# Altium PCB LED_Controller.PcbDoc (continued)
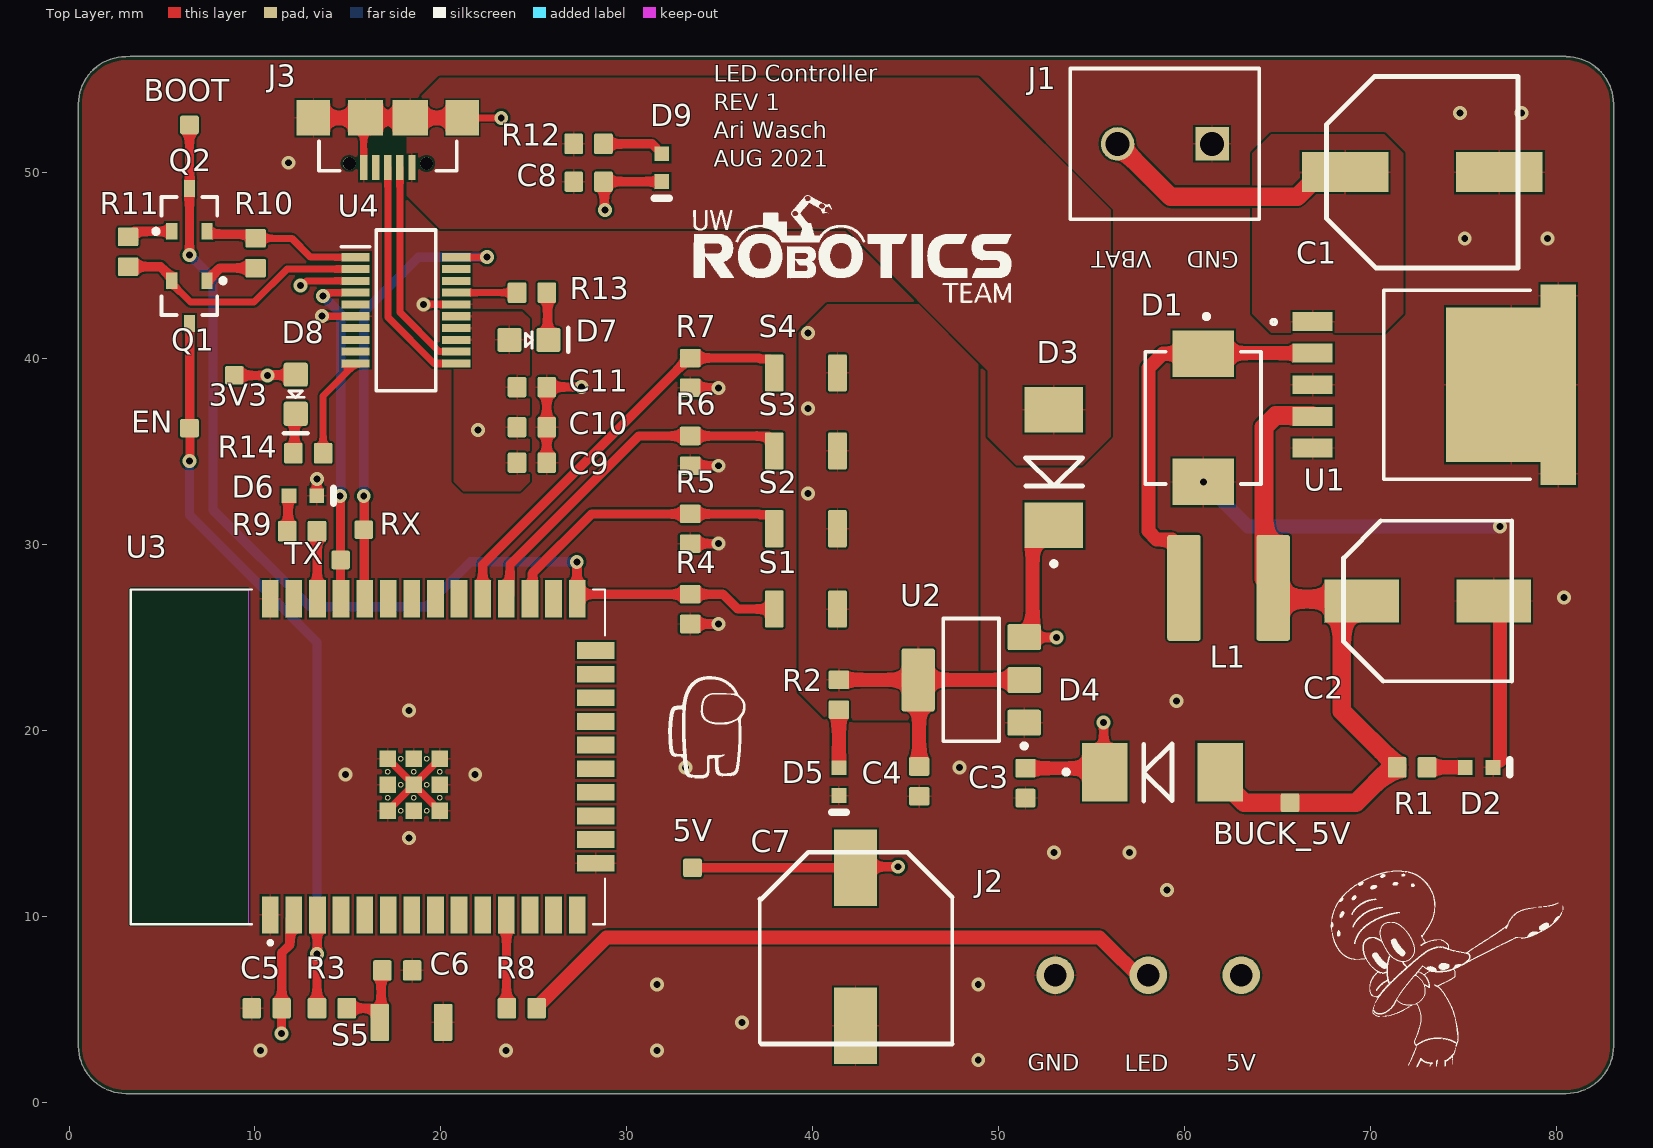
[diagram p0: Top Layer view]
## Components (designator, comment, footprint, x,y, rotation, side; value= is the part's Value field where it differs from the comment) (continued)
EN "TESTPOINT_1MM_SQUARE" TESTPOINT_SQUARE_1MM 6.477,36.271 r90 top (schematic designator TP5)
J1 "1729128" PHOE-1729128-2_V 58.928,51.562 r180 top
J2 "WJ127-5.0-3P" WJ127-5.0-3P 58.039,6.858 r180 top
J3 "10118192-0001LF" 629105136821 17.145,52.959 r180 top
L1 "IND_33uH_1.45A" IND_CKCS6045 62.357,27.686 r0 top
Q1 "NPN_25V_500mA" SOT23-3 6.477,43.053 r270 top
Q2 "NPN_25V_500mA" SOT23-3 6.477,48.006 r90 top
R1 "RES_1kΩ_0603_5%" RES0603 73.025,18.034 r180 top value=1kΩ
R2 "RES_1kΩ_0603_5%" RES0603 41.402,21.133 r90 top value=1kΩ
R3 "RES_1kΩ_0603_5%" RES0603 14.935,5.08 r180 top value=1kΩ
R4 "RES_1kΩ_0603_5%" RES0603 33.401,25.743 r90 top value=1kΩ
R5 "RES_1kΩ_0603_5%" RES0603 33.401,30.061 r90 top value=1kΩ
R6 "RES_1kΩ_0603_5%" RES0603 33.401,34.252 r90 top value=1kΩ
R7 "RES_1kΩ_0603_5%" RES0603 33.401,38.443 r90 top value=1kΩ
R8 "470R 1%" RESC0603 25.146,5.08 r180 top value=470Ω
R9 "RES_1kΩ_0603_5%" RES0603 11.735,30.734 r0 top value=1kΩ
R10 "RES_12kΩ_0603" RESC0603 10.033,46.482 r270 top value=12kΩ
R11 "RES_12kΩ_0603" RESC0603 3.175,44.958 r90 top value=12kΩ
R12 "RES_1kΩ_0603_5%" RES0603 28.74,51.562 r180 top value=1kΩ
R13 "RES_270Ω_0603_1%" RES0603 24.092,43.561 r0 top value=270Ω
R14 "RES_270Ω_0603_1%" RES0603 13.665,34.925 r180 top value=270Ω
RX "TESTPOINT_1MM_SQUARE" TESTPOINT_SQUARE_1MM 15.85,30.81 r0 top (schematic designator TP7)
S1 "SW_SPST_NO" B3U-1000P 39.624,26.543 r180 top
S2 "SW_SPST_NO" B3U-1000P 39.624,30.861 r180 top
S3 "SW_SPST_NO" B3U-1000P 39.624,35.052 r180 top
S4 "SW_SPST_NO" B3U-1000P 39.624,39.243 r180 top
S5 "SW_SPST_NO" B3U-1000P 18.415,4.318 r180 top
TX "TESTPOINT_1MM_SQUARE" TESTPOINT_SQUARE_1MM 14.605,29.185 r0 top (schematic designator TP6)
U1 "LM2596R-5.0" LM2596S-5.0 71.333,38.862 r180 top
U2 "LDO_3.3V_1A" ZLDO1117G33TA 48.514,22.733 r180 top
U3 "ESP32-WROOM-32E" ESP32-WROOM-32E 16.077,18.596 r90 top
U4 "FT231XS-R" SOP64P599X175-20N 18.116,42.608 r0 top

## Footprints (in the part's own frame and the unit in brackets; to place one, negate y for a bottom-side part, rotate by r counter-clockwise, add the part's x,y. Pads: shape width x height; smd on the part's side, far side on the other; paste and mask are expansions set on the pad)
629105136821 [mm] "Micro USB 2.0 SMT Type B Horizontal 5 Contacts"
  rect 0.4x1.35 smd: 1(-1.3,2.675) 2(-0.65,2.675) 3(0,2.675) 4(0.65,2.675) 5(1.3,2.675)
  round 0.7 hole 0.7 unplated: MH1(-2.075,2.45) MH2(2.075,2.45)
  rect 1.8x1.9 smd: Shell(-4,0) Shell(4,0)
  rect 1.9x1.9 smd: Shell(-1.2,0) Shell(1.2,0)
  silkscreen extent -3.7,1.25 3.7,2.85, body extent -4,-2.73 4,3.17, height 2.69
AVAG-HSMX-C190_V [mm] "SMD, 2-Leads, Body 1.6x0.8mm, Height 0.9mm"
  rect 0.8x0.8 smd: 1(-0.75,0) 2(0.75,0)
  silkscreen extent 1.65,-0.4 1.65,0.4, body extent -0.8,-0.4 0.8,0.4, height 0.9
B3U-1000P [mm] "TACTILE SWITCH GREY"
  rrect15% 1x2 smd: 1(-1.7,0) 2(1.7,0)
  body extent -2,-1.25 2,1.25, height 1.6
CAP0603 [mm]
  rrect20% 1x1.1 smd: 1(-0.8,0) 2(0.8,0)
  body extent -0.87,-0.48 0.88,0.48, height 0.87
CAP_8x10.2 [mm]
  rect 4x2.3 smd: 1(-3.55,0) 2(3.55,0)
  silkscreen extent -4.52,-4.32 4.52,4.32, body extent -4.85,-4.15 4.85,4.15
CAPAE1030X1050N [mm]
  rect 4.1x2.3 smd: 1(-4.25,0) 2(4.25,0)
  silkscreen extent -5.08,-5.15 5.23,5.21, body extent -5.6,-5.25 5.6,5.25, height 10.5
CAPAE1030X1100N [mm]
  rect 4.65x2.15 smd: 1(-4.15,0) 2(4.15,0)
  silkscreen extent -5.15,-5.15 5.15,5.15, body extent -5.75,-5.25 5.75,5.25, height 11
"DO214AB SMC" [mm] "Molded Diode, 2-Leads, Body 6.85x5.90mm, IPC Medium Density"
  rect 2.45x3.15 smd: 1(-3.1,0) 2(3.1,0)
  silkscreen extent -0.52,-1.52 5.31,1.56, body extent -3.97,-2.95 3.97,2.95, height 2.6
ESP32-WROOM-32E [mm]
  rect 2x0.9 smd: 1(-8.5,5.26) 2(-8.5,3.99) 3(-8.5,2.72) 4(-8.5,1.45) 5(-8.5,0.18) 6(-8.5,-1.09) 7(-8.5,-2.36) 8(-8.5,-3.63) 9(-8.5,-4.9) 10(-8.5,-6.17) 11(-8.5,-7.44) 12(-8.5,-8.71) 13(-8.5,-9.98) 14(-8.5,-11.25) 25(8.5,-11.25) 26(8.5,-9.98) 27(8.5,-8.71) 28(8.5,-7.44) 29(8.5,-6.17) 30(8.5,-4.9) 31(8.5,-3.63) 32(8.5,-2.36) 33(8.5,-1.09) 34(8.5,0.18) 35(8.5,1.45) 36(8.5,2.72) 37(8.5,3.99) 38(8.5,5.26)
  rect 0.9x2 smd: 15(-5.715,-12.25) 16(-4.445,-12.25) 17(-3.175,-12.25) 18(-1.905,-12.25) 19(-0.635,-12.25) 20(0.635,-12.25) 21(1.905,-12.25) 22(3.175,-12.25) 23(4.445,-12.25) 24(5.715,-12.25)
  rect 0.9x0.9 smd: 39(-0.1,-3.86) 40(-2.9,-1.06) 41(-1.5,-1.06) 42(-0.1,-1.06) 43(-0.1,-2.46) 44(-1.5,-2.46) 45(-2.9,-2.46) 46(-2.9,-3.86) 47(-1.5,-3.86)
  round 0.3 hole 0.2: 39_10(-2.2,-1.06) 39_11(-0.8,-1.06) 39_12(-2.9,-1.76) 39_13(-1.5,-1.76) 39_14(-0.1,-1.76) 39_15(-2.2,-2.46) 39_16(-0.8,-2.46) 39_17(-2.9,-3.157) 39_18(-1.5,-3.157) 39_19(-0.1,-3.157) 39_20(-2.2,-3.86) 39_21(-0.8,-3.86)
  Keep-Out Layer region: 9,6.45 -9,6.45 -9,12.75 9,12.75
  Keep-Out Layer region: 9,6.45 -9,6.45 -9,12.75 9,12.75
  silkscreen extent -10.1,-12.75 9,12.75, body extent -9.11,-12.69 8.89,12.81, height 2.91
FP-SMC-MFG [mm]
  rect 2.5x3.3 smd paste+0 mask+0: 1(-3.45,0) 2(3.45,0)
  silkscreen extent -5.57,-3.11 3.55,3.11, body extent -4.8,-3.21 4.8,3.21, height 0.25
IND_CKCS6045 [mm]
  rrect15% 1.8x5.7 smd: 1(-2.4,0) 2(2.4,0)
  body extent -3.15,-3 3.15,3, height 4.5
LED_0805_YELLOW [mm] "SMD, 2-Leads, Body 2x1.25mm"
  rrect20% 1.3x1.3 smd: 1(-1.05,0) 2(1.05,0)
  silkscreen extent -0.18,-0.64 2.11,0.64, body extent -1,-0.62 1,0.63, height 1.12
LM2596S-5.0 [mm]
  rect 2.16x1.02 smd: 1(4.46,-3.146) 2(4.46,-1.446) 3(4.46,0.254) 4(4.46,1.954) 5(4.46,3.654)
  rect 6.99x8.33 smd: 6(-6.215,0.254)
  rect 1.91x1.235 smd: 7(-8.755,5.036) 8(-8.755,-4.528)
  silkscreen extent -7.24,-4.83 6.68,5.33, body extent -9.12,-4.83 5.23,5.33, height 4.57
PHOE-1729128-2_V [mm] "Receptacle, 2-Leads, Body 8.1x10.16mm, Pitch 5.08mm"
  rect 1.8x1.8 hole 1.3: 1(-2.54,0)
  round 1.8 hole 1.3: 2(2.54,0)
  silkscreen extent -5.08,-4.05 5.08,4.05, body extent -5.65,-4.05 5.08,4.05, height 10.01
RES0603 [mm] "Chip Resistor, Body 1.6x0.8mm, IPC Medium Density"
  rrect15% 1x1.1 smd: 1(0,0) 2(1.6,0)
  body extent 0,-0.4 1.6,0.4, height 0.46
RESC0603 [mm] "Chip Resistor, Body 1.6x0.8mm, IPC Medium Density"
  rrect15% 1x1.1 smd: 1(0,0) 2(1.6,0)
  body extent 0,-0.4 1.6,0.4, height 0.46
SOP64P599X175-20N [mm]
  rect 1.526x0.435 smd: 1(-2.712,2.858) 2(-2.712,2.222) 3(-2.712,1.588) 4(-2.712,0.952) 5(-2.712,0.318) 6(-2.712,-0.318) 7(-2.712,-0.952) 8(-2.712,-1.588) 9(-2.712,-2.222) 10(-2.712,-2.858) 11(2.712,-2.858) 12(2.712,-2.222) 13(2.712,-1.588) 14(2.712,-0.952) 15(2.712,-0.318) 16(2.712,0.318) 17(2.712,0.952) 18(2.712,1.588) 19(2.712,2.222) 20(2.712,2.858)
  silkscreen extent -3.47,-4.32 1.6,4.32, body extent -3,-4.32 3,4.32, height 1.75
SOT23-3 [mm] "SOT23, 3-Leads, Body 2.90x2.30mm, Pitch 0.95mm, IPC Medium Density"
  rect 0.9x0.6 smd: 1(-1.15,0.95) 2(-1.15,-0.95) 3(1.15,0)
  silkscreen extent -1.27,-1.5 0.7,1.93, body extent -1.3,-1.5 1.3,1.5, height 1.1
TESTPOINT_SQUARE_1MM [mm]
  rrect20% 1x1 smd: 1(0,0)
WJ127-5.0-3P [mm] "3 pin screw terminal"
  round 2.02 hole 1.2: 1(-5,0) 2(0,0) 3(5,0)
  body extent -7.5,-4.22 7.5,3.88, height 10.1
ZLDO1117G33TA [mm] "SOT223, 4-Leads, Body 6.50x7.00mm (avg), Pitch 2.30mm, IPC Medium Density"
  rrect15% 1.8x1.4 smd: 1(-2.85,2.3) 2(-2.85,0) 3(-2.85,-2.3)
  rrect15% 1.8x3.4 smd: 2(2.85,0)
  silkscreen extent -2.98,-3.3 1.5,3.67, body extent -3.48,-3.25 3.48,3.25, height 1.65

## Part data
3V3 5V BOOT BUCK_5V EN RX TX: "TESTPOINT 1MM SQUARE"
C1: "CAP ALUM 470uF 20% 35V SMD", Capacitance=470uF, LCSC Number=C72519, Manufacturer 1=ROQANG, Manufacturer Part Number 1=RVT1V471M1010, Voltage=35V, Datasheet Link=https://datasheet.lcsc.com/szlcsc/2004031004_ROQANG-RVT1V471M1010_C72519.pdf, Height=11mm
C2: library part CAP_220uF_35V_ALUM, "220uF 35V Cap", Capacitance="220 uF", LCSC Number=C310848, Manufacturer 1=KNSCHA, Manufacturer Part Number=VT1V221M0810, Package=8x10.2mm, Voltage=35V, Supplier 1=LCSC
C3 C4: "CAP CER 4.7UF 16V X6S 0603", Dielectric=X5R, LCSC Number=C19666, Manufacturer 1="Samsung Electro-Mechanics", Manufacturer Part Number 1=CL10A475KO8NNNC, Package/Footprint=0603, Voltage Rating=16V, Mounting Type=SMD, Supplier 1=LCSC
C5 C6 C9 C10 C11: "CAP CER 0.1UF 16V X7R 0603", Dielectric=X7R, LCSC Number=C108079, Manufacturer 1=Yageo, Manufacturer Part Number 1=CC0603KRX7R7BB104, Package/Footprint=0603, Supplier Part Number 1=311-1088-1-ND, Voltage Rating=16V, Supplier 1=Digi-Key
C7: "CAP ALUM 1000uF 20% 16V SMD", Capacitance=1000uF, LCSC Number=C249474, Manufacturer=Lelon, Manufacturer Part Number 1=VE-102M1CTR-1010, Tolerance=20%, Voltage=16V, Datasheet Link=https://datasheet.lcsc.com/szlcsc/1811051743_Lelon-VE-102M1CTR-1010_C249474.pdf, Height=10.5mm
C8: "CAP CER 10nF 50V X7R 0603", Dielectric=X7R, LCSC Number=C100042, Manufacturer 1=YAGEO, Manufacturer Part Number 1=CC0603KRX7R9BB103, Voltage Rating=50V, Supplier 1=LCSC
D1: library part CMP-2000-05906-2, "DIODE SCHOTTKY 50V 5A SMC", Average Rectified Current=5A, Capacitance=300pF, Case/Package=SMC, Forward Voltage=700mV, LCSC Number=C134461, Max Forward Surge Current (Ifsm)=100A, Max Operating Temperature=125°C, Max Repetitive Reverse Voltage (Vrrm)=50V, Min Operating Temperature=-55°C, Package Quantity=3000, Peak Reverse Current=500uA, Contact Plating=Tin, Current Rating=5A, Element Configuration=Single, Forward Current=5A, Height=2.5mm, Lead Free="Lead Free", Length=7.11mm, Max Reverse Voltage (DC)=50V, Mount="Surface Mount", Number of Pins=2, Output Current=5A, Packaging="Tape and Reel", Peak Non-Repetitive Surge Current=100A, Polarity=Standard, Radiation Hardening=No, REACH SVHC="No SVHC", Termination=SMD/SMT, Voltage Rating (DC)=50V, Weight=0.007408oz, Width=6.22mm
D2 D5 D6 D9: library part CMP-1744-00002-1, "Chip LED, Green, 2.2 V, -40 to 85 degC, 2-Pin SMD, RoHS, Tape and Reel", Case\Package=SOIC, Clock Frequency="100 KHz", Frequency="400 KHz", LCSC Number=C188729, Max Operating Temperature="85 degC", Max Supply Voltage="5.5 V", Min Operating Temperature="-40 degC", Min Supply Voltage="1.7 V", Nominal Supply Current="2 mA", Package Quantity=3000, Access Time="3500 ns", ComponentLink1Description="Manufacturer URL", ComponentLink1URL=http://www.avagotech.com/, ComponentLink2Description=Datasheet, ComponentLink2URL=http://docs.avagotech.com/docs/AV02-0551EN, ComponentLink3Description="Package Specification", ComponentLink3URL=http://www.fairchildsemi.com/dwg/MA/MA03D.pdf, DatasheetVersion=Mar-12, Density="32 kb", Height="1.5 mm", Interface=Serial, Length="5 mm", Max Clock Frequency="100 KHz", Mount="Surface Mount", PackageDescription="2-Pin Surface Mount Device, Body 1.6 x 0.8 mm, Height 0.9 mm", PackageReference=HSMX-C190, Packaging="Tape and Reel", Pins=8, Radiation Hardening=No, REACH SVHC="No SVHC", RoHSCompliant=true, Width="4 mm"
D3 D4: "DIODE SCHOTTKY 40V 5A SMC", Capacitance=300pF, Current=5A, Forward Voltage=550mV, LCSC Number=C105556, Manufacturer 1=Diodes, Manufacturer Part Number 1=B540CQ-13-F, Max Forward Surge Current (Ifsm)=100A, Max Repetitive Reverse Voltage (Vrrm)=40V, Package/Footprint=SMC, Peak Reverse Current=500uA, Supplier Part Number 1=B540C-FDIDKR-ND, Current Rating=5A, Forward Current=5A, Max Reverse Voltage (DC)=40V, Mounting Type=SMD, Peak Non-Repetitive Surge Current=100A, Supplier 1=Digi-Key, Voltage=40V, Voltage Rating (DC)=40V
D7 D8: "LED YELLOW DIFFUSED 0805 SMD", Forward Voltage Drop=2.2V, LCSC Number=C122984, Manufacturer 1="Everlight Elec", Manufacturer Part Number 1=SML-310MTT86, Package="0805 (2012 Metric)", Supplier 1=LCSC
J1: library part CMP-2000-05815-1, "PCB Terminal Block, 13.5 A, 400 V, 2-Pin THD, RoHS, Bulk", Current Rating=13500mA, LCSC Number=C91153, Manufacturer="Phoenix Contact", Package Description="2-Pin Through Hole Device, Body 8.1 x 10.16 mm, Pitch 5.08 mm", Package Reference=1729128-2, Package Version=03/2015, Voltage Rating=400V, Datasheet URL=https://datasheet.ciiva.com/16046/1729128-16046181.pdf, Datasheet Version=12/2013, Manufacturer URL=http://www.phoenixcontact.com/, Mounting Technology=ThroughHole, No. of Positions=2, No. of Rows=1, Orientation=Horizontal, Package URL=https://www.phoenixcontact.com/online/portal/pi/pxc/product_detail_page/!ut/p/b1/3VdJjqNKFDxLH8AFycySyWY2ozFsEPOMMQaDOX1XedGL_1Vdm5YXJleknhSKeBkvI6EA8ncAo3AYoDhBQGco6KN7VURTdemj9us_IEKEZo_YHiPAEWEFmDGOHMORkqKYCORBZxgL7ZoaZYcbFFUZ3fqxSY6GOuxydWUuHqz1ynmMFygu583Bob0Ewr6Sd_l-5m-kAueHiB0jpRwZwe58wwtkpxtMYd_LmGcDRU02dRNEyWt6Y2ti5pSyJ_reIkzIulrqApdnbT11V5jnCKbYNCvhEM1MCpPByat_X379-iThf08CI5GfOPqfBeS3BRoBOdD55AKVv0iLwCMq-2BrzXWSGRH7pUGD9uwXQjiph3xL0DKQwdGa0JImiIOmBNOestqgwTHSSs2oOep-78apyXQBvNi8ZLaFjvjWvcaUEBu0MC6Wbe-d6mB0FAebo2lUWinqYaZs5DAYzV0RP9yitUjnGJ0iI9xhZkT42OCQNUJJhkgWINNQLP2JFP6OpMg3JCVg70jqHT0lvKOnhHf0lPuOnnLf0VPuWx6_dxwUIvwk5WMkT0kLL1mh61l2yZVSzG3pYV_bqo-mj6uMKwKwdnnW8Jh5RTOJzMOA5c-eJDaZQw4mTMPH02PvS_ZAqNVjVTo2WyYLkwH_KU1mmmG5kjRhDqPXLwwVHvVOjCM60-fpXvTDfMGW1PVFVS1r4e4yVDk4ZdNbkUHvqPqQSeian4UD39fNKmachqdJ1NJbyk8rXT9mXTvPk3oE5meulKGgiruPJek-4I9hTT6G8ZLOyRSm2RRVbThERQad5OS28hdt4YW4vG0stgYYzsWsK4_7y6DZMjJSCqri1kyiZR5vD7pwIrNR7QwPHTcLTI5qT7eRlpHrdGiupYlqQDJ7zy_CND8fWWBoLRXxk1RVcXiBQwbTD4Xi7KL-FuO94t9xaqweXzH, Packing=Bulk, PartNumber=1729128, Pitch=5.08mm, RoHS=TRUE
J2: LCSC Number=C8393, Manufacturer 1="Ningbo Kangnex", Datasheet=https://datasheet.lcsc.com/lcsc/2107141401_Ningbo-Kangnex-Elec-WJ127-5-0-3P_C8393.pdf, Manufaturer Part Number 1=WJ127-5.0-3P, Supplier 1=LCSC
J3: library part "WE 629105136821", "CONN RCPT USB2.0 MICRO B SMD R/A", Contact Resistance=30mOhm, LCSC Number=C132564, Manufacturer="Amphenol ICC", Operating Temperature=-40to105degC, Rated Current=1A, Working Voltage=30VAC, Connector Type=MicroUSB2.0TypeB, Datasheet URL=https://datasheet.lcsc.com/lcsc/1811131827_Amphenol-ICC-10118192-0001LF_C132564.pdf, Gender=Receptacle, Manufacturer URL=http://www.we-online.de, Mounting Technology=SMD, Orientation=Horizontal, Package Reference=10118192-0001LF, Part Number=10118192-0001LF
L1: "INDUCTOR 33UH 1.45A SMD ROHS", DC Current=1.45A, DC Resistance (DCR)=137mΩ, Inductance=33μH, LCSC Number=C354635, Manufacturer 1=CENKER, Manufacturer Part Number 1=CKCS6045-33uH, RMS Current (Irms)=1.45A
Q1 Q2: "TRANS NPN 20V 0.5A SOT23", LCSC Number=C444723, Manufacturer 1="Micro Commercial Co", Manufacturer Part Number 1=S8050, Package="TO-236-3, SC-59, SOT-23-3"
R1 R2 R3 R4 R5 R6 R7 R9 R12: "RES 1K OHM 5% 1/10W 0603", LCSC Number=C14676, Manufacturer 1=Yageo, Manufacturer Part Number 1=RC0603JR-071KL, Package/Footprint=0603, Supplier Part Number 1=311-1.0KGRCT-ND, Mounting Type=SMD, Supplier 1=Digi-Key
R8: library part RES_470Ω_0603_1%, "RES 470 OHM 1% 1/10W 0603", LCSC Number=C144657, Manufacturer 1=Yageo, Manufacturer Part Number 1=AC0603FR-07470RL, Supplier Part Number 1=311-470LDCT-ND, Supplier 1=Digi-Key
R10 R11: library part RES_12kΩ_0603_1%, "RES 12K OHM 1% 1/10W 0603", LCSC Number=C163859, Manufacturer 1="Vishay Dale", Manufacturer Part Number 1=CRCW060312K0FKEAC, Manufacturer Part Number 2=WR06X1202FTL, Package=0603, Power=0.1W, Supplier Part Number 1=541-4046-1-ND, Tolerance=1%, Supplier 1=Digi-Key
R13 R14: "RES 270 OHM 1% 1/10W 0603", LCSC Number=C22966, Manufacturer 1="UNI-ROYAL(Uniroyal Elec)", Manufacturer Part Number 1=0603WAF2700T5E, Package=0603, Power=0.1W, Tolerance=±1%
S1 S2 S3 S4 S5: "SWITCH TACTILE SPST-NO 0.05A 12V", LCSC Number=C231329, Manufacturer 1="Omron Electronics Inc-EMC Div", Manufacturer Part Number 1=B3U-1000P, Package/Footprint=SMD, Supplier Part Number 1=SW1020CT-ND, Mounting Type=SMD, Supplier 1=Digi-Key
U1: "IC REG BUCK 5V 3A TO220-5", Current Output=3A, LCSC Number=C77782, Manufacturer 1="HTC Korea TAEJIN Tech", Max Voltage Input=40V, Min Voltage Input=4.5V, Voltage Output=5V, Datasheet=https://lcsc.com/search?q=WJ127-5.0-3P, Manufacturer Part Number 1=LM2596R-5.0, Supplier 1=LCSC
U2: "IC REG LINEAR 3.3V 1A SOT223", Input Voltage (Max)=18V, LCSC Number=C444421, Manufacturer 1="Diodes Incorperated", Manufacturer Part Number 1=ZLDO1117G33TA, Operating Temperature="-40°C - 125°C", Output Current=1A, Output Voltage (Fixed)=3.3V, Package/Footprint=SOT-224, Voltage Dropout (Max)=1.3V@1A, Mounting Type="Surface Mount", Supplier 1=Digi-Key, Supplier Part Number 1=ZLDO1117G33TA
U3: LCSC Number=C529581, Supplier Part Number 1=1965-ESP32-WROOM-32E(16MB)CT-ND, Supplier 1=Digi-Key
U4: "Integrated Circuit", LCSC Number=C132160, Manufacturer_Name="FTDI Chip", Mouser Part Number=895-FT231XS-R, Arrow Part Number=FT231XS-R, Arrow Price/Stock=https://www.arrow.com/en/products/ft231xs-r/ftdi-chip?region=nac, Datasheet Link=http://docs-emea.rs-online.com/webdocs/1102/0900766b811020d3.pdf, Height=1.753mm, Manufacturer_Part_Number=FT231XS-R, Mouser Price/Stock=https://www.mouser.co.uk/ProductDetail/FTDI/FT231XS-R?qs=Gp1Yz1mis3WduRPsgrTbtg%3D%3D

## Via types
v1: diameter 0.75, hole 0.375, Top Layer to Bottom Layer, tented both sides, 53 vias

## Nets (pads, with @x,y where several pads share a name; then routed paths per layer and width w, separated by ;. In a path a pad name is that pad's centre, name@x,y a point inside that pad or via, vN(x,y) a via of type N, cw(c..) or ccw(c..) an arc to the next point about the centre after c; other vN are vias at no path point)
3V3: 3V3.1 C4.2 C5.2 C9.2 C10.2 C11.2 D7.1 D8.1 R2.2 S1.1 S2.1 S3.1 S4.1 U2.2 U3.2 U4.3 U4.13 U4.14 U4.15 | length 26.9
  Top Layer w0.38: v1(12.446,43.942) 12.514,43.942 12.768,44.196 U4.3
  Top Layer w0.5: 3V3.1 8.897,39.109 10.675,39.109 v1(10.682,39.102) 10.705,39.126 12.168,39.126 D8.1 ; v1(11.43,3.708) C5.2 11.437,5.087 11.437,7.981 11.444,7.987 11.444,8.055 11.886,8.498 11.886,9.896 U3.2
  Top Layer w0.75: R2.2 U2.2@44.902,22.733 ; C4.2 45.72,22.637 45.644,22.713 45.664,22.733 U2.2@51.364,22.733
  other v1: 39.751,32.766 21.985,36.181 39.751,37.338 39.751,41.402
5V0: 5V.1 C3.2 C7.1 D3.2 D4.2 J2.1 U2.3 | length 24.5
  Top Layer w0.5: 5V.1@33.536,12.632 C7.1 42.345,12.686 v1(44.591,12.686) ; U2.3 51.378,25.019 53.086,25.019 v1(53.1,25.005) ; D4.2@55.498,17.983 55.64,18.125 v1(55.64,20.433)
  Top Layer w0.75: C3.2 D4.2@55.498,17.983 ; U2.3@51.816,25.483 D3.2@51.816,30.607
BUCK_5V0: BUCK_5V.1 C2.1 D4.1 L1.2 R1.2 U1.4 | length 37
  Top Layer w1: D4.1 61.901,17.43 63.202,16.129 BUCK_5V.1 69.21,16.129 70.94,17.859 71.3,17.859 71.425,17.984 R1.2 71.425,18.084 68.453,21.056 68.453,27.077 L1.2@64.716,27.077 ; L1.2 64.262,28.181 64.262,36.322 64.897,36.957 66.824,36.957 U1.4
GND: C1.2 C2.2 C3.1 C4.1 C5.1 C6.1 C7.2 C8.2 C9.1 C10.1 C11.1 D1.2 D2.2 D5.2 D6.2 D9.2 J1.1 J2.3 J3.5 J3.Shell R4.1 R5.1 R6.1 R7.1 S5.1 U1.3 U1.5 U1.6 U1.7 U1.8 U2.1 U3.1 U3.15 U3.38 U3.39 U3.40 U3.41 U3.42 U3.43 U3.44 U3.45 U3.46 U3.47 U4.6 U4.16 | length 69.4
  Top Layer w0.38: v1(13.592,42.294) 13.594,42.292 15.402,42.292 U4.6 ; J3.5 J3.Shell@15.845,52.859 ; U3.40 U3.44 ; U3.42 U3.44 ; U3.44@18.537,16.936 U3.44@18.694,16.936 ; v1(19.053,42.929) 19.055,42.928 20.826,42.928 U4.16 ; U3.46 U3.44 ; U3.39 U3.44 ; J3.Shell@21.145,52.959 21.148,52.962 v1(23.244,52.962)
  Top Layer w0.5: D6.2 13.329,32.645 13.329,33.522 v1(13.335,33.528) ; J3.Shell@15.845,52.859 J3.Shell@15.945,52.959 ; C9.1 C10.1 C11.1 25.695,38.484 27.551,38.484 v1(27.554,38.487) ; U3.15 U3.15@28.353,12.854 ; v1(28.829,48.006) 28.785,48.05 28.785,49.485 C8.2 D9.2 ; R4.1 v1(34.925,25.743) ; R5.1 v1(34.925,30.061) ; R6.1 v1(34.925,34.252) ; R7.1 v1(34.925,38.443) ; D2.2 D2.2@76.953,18.406
  Top Layer w0.75: J3.Shell@13.145,52.959 15.945,52.959 18.345,52.959 J3.Shell@21.145,52.959 ; C2.2 C2.2@77.384,27.751 ; D2.2@76.953,18.406 C2.2@76.953,27.077
  Bottom Layer w0.75: v1(61.011,33.376) 63.398,30.988 v1(76.962,30.988)
  other v1: 48.895,2.286 10.287,2.794 23.495,2.794 31.623,2.794 36.195,4.318 31.623,6.35 48.895,6.35 59.055,11.43 52.959,13.462 57.023,13.462 18.288,14.224 14.859,17.653 21.844,17.653 33.147,18.034 47.879,18.034 18.288,21.082 59.563,21.59 80.391,27.178 75.057,46.482 79.502,46.482 11.811,50.546 74.803,53.213 78.105,53.213
LED_DATA: J2.2 R8.1 | length 35.5
  Top Layer w0.75: R8.1 25.146,5.13 28.906,8.89 55.419,8.89 J2.2@57.959,6.35
NetC6_2: C6.2 R3.1 S5.2 | length 4.6
  Top Layer w0.5: R3.1 16.715,5.08 S5.2@16.721,5.075 ; S5.2 16.784,4.387 16.784,7.043 C6.2
NetD1_1: D1.1 L1.1 U1.2 | length 22.3
  Top Layer w0.75: L1.1 59.957,29.636 59.307,30.286 58.487,30.286 58.039,30.734 58.039,39.497 58.822,40.28 D1.1 ; D1.1@60.972,40.259 D1.1 ; U1.2 61.021,40.308 D1.1
NetD2_1: D2.1 R1.1 | length 2.1
  Top Layer w0.75: R1.1 D2.1
NetD5_1: D5.1 R2.1 | length 3.1
  Top Layer w0.5: R2.1 R2.1@41.414,21.121
  Top Layer w0.75: D5.1 R2.1
NetD6_1: D6.1 R9.1 | length 1.9
  Top Layer w0.5: R9.1 11.779,30.778 11.779,32.595 D6.1
NetD7_2: D7.2 R13.2 | length 2.6
  Top Layer w0.5: R13.2 25.736,43.516 25.736,41.066 D7.2
NetD8_2: D8.2 R14.2 | length 2.2
  Top Layer w0.5: R14.2 12.128,34.989 12.128,36.986 D8.2
NetD9_1: D9.1 R12.1 | length 3.4
  Top Layer w0.5: R12.1 31.345,51.562 D9.1
NetJ3_2: J3.2 U4.12 | length 11.7
  Top Layer w0.38: J3.2 17.795,42.507 19.899,40.402 20.812,40.402 U4.12
NetJ3_3: J3.3 U4.11 | length 12.8
  Top Layer w0.38: J3.3 17.145,42.238 19.632,39.751 U4.11 U4.11
NetQ1_1: Q1.1 R10.2 | length 3
  Top Layer w0.5: Q1.1 7.427,44.353 7.477,44.403 7.627,44.403 8.106,44.882 R10.2
NetQ1_2: Q1.2 R11.1 U4.2 | length 13.9
  Top Layer w0.38: Q1.2 5.527,44.053 6.527,43.053 9.956,43.053 11.733,44.83 U4.2
  Top Layer w0.5: R11.1 4.922,44.958 5.527,44.353 Q1.2
NetQ1_3: EN.1 Q1.3 R3.2 U3.3 | length 49.9
  Top Layer w0.5: EN.1 Q1.3 ; v1@6.502,34.544 6.502,41.903 6.502,39.37 ; R3.2 v1(13.335,8.001) 13.346,8.012 13.346,10.085 U3.3
  Bottom Layer w0.5: v1(6.477,34.519) 6.477,31.623 13.335,24.765 v1(13.335,8.001)
NetQ2_1: Q2.1 R11.2 | length 2.5
  Top Layer w0.5: R11.2 3.225,46.558 3.523,46.856 Q2.1
NetQ2_2: Q2.2 R10.1 U4.1 | length 8.6
  Top Layer w0.38: Q2.2 7.427,46.756 Q2.2@7.477,46.706 ; R10.1@9.809,46.706 R10.1 11.979,46.482 12.995,45.466 U4.1
  Top Layer w0.5: Q2.2@7.477,46.706 R10.1@9.809,46.706
NetQ2_3: BOOT.1 Q2.3 R4.2 S1.2 U3.25 | length 56.7
  Top Layer w0.5: v1(6.477,45.593) Q2.3 BOOT.1 ; v1(27.305,29.083) 27.316,29.072 27.316,27.107 U3.25 ; U3.25@27.527,27.343 R4.2 35.163,27.343 35.962,26.543 S1.2
  Bottom Layer w0.5: v1(6.477,45.593) 7.747,44.323 7.747,31.877 12.954,26.67 19.177,26.67 21.59,29.083 v1(27.305,29.083)
NetR5_2: R5.2 S2.2 U3.27 | length 16.9
  Top Layer w0.5: U3.27@24.787,27.646 U3.27 24.929,27.238 24.929,28.485 28.105,31.661 R5.2 37.124,31.661 37.174,31.611 37.674,31.611 37.924,31.361 S2.2
NetR6_2: R6.2 S3.2 U3.28 | length 19.6
  Top Layer w0.5: U3.28 23.717,27.296 23.717,28.924 30.645,35.852 R6.2 37.624,35.852 37.924,35.552 S3.2
NetR7_2: R7.2 S4.2 U3.29 | length 22.7
  Top Layer w0.5: U3.29 22.247,28.938 33.351,40.043 R7.2 37.124,40.043 37.174,39.993 37.674,39.993 37.924,39.743 S4.2
NetR8_2: R8.2 U3.11 | length 5
  Top Layer w0.5: U3.11 23.531,10.081 23.531,5.095 R8.2
NetR9_2: R9.2 U3.36 | length 3.6
  Top Layer w0.5: R9.2 13.346,30.723 13.346,27.107 U3.36
NetR13_1: R13.1 U4.17 | length 3.3
  Top Layer w0.38: U4.17 R13.1
NetR14_1: R14.1 U4.10 | length 5.5
  Top Layer w0.38: R14.1 13.665,38.011 U4.10
NetTP6_1: TX.1 U3.35 U4.4 | length 18.5
  Top Layer w0.38: v1(13.669,43.375) 13.769,43.375 13.954,43.56 U4.4
  Top Layer w0.5: v1(14.58,32.614) 14.603,32.59 14.603,29.855 14.603,27.119 U3.35
  Bottom Layer w0.5: v1(13.669,43.375) 14.605,42.439 v1@14.605,32.614
NetTP7_1: RX.1 U3.34 U4.20 | length 25
  Top Layer w0.38: U4.20 v1(22.479,45.466)
  Top Layer w0.5: v1(15.85,32.614) 15.895,32.568 15.873,32.546 15.873,27.119 U3.34
  Bottom Layer w0.5: v1(15.85,32.614) 15.85,42.52 18.796,45.466 v1(22.479,45.466)
USB_5V0: C8.1 D3.1 J3.1 R12.2
VBAT: C1.1 J1.2 U1.1 | length 14
  Top Layer w1: J1.2 59.241,48.709 66.042,48.709 67.371,50.038 C1.1
pads on no net: J3.4 J3.MH1 J3.MH2 U3.4 U3.5 U3.6 U3.7 U3.8 U3.9 U3.10 U3.12 U3.13 U3.14 U3.16 U3.17 U3.18 U3.19 U3.20 U3.21 U3.22 U3.23 U3.24 U3.26 U3.30 U3.31 U3.32 U3.33 U3.37 U3.39_10 U3.39_11 U3.39_12 U3.39_13 U3.39_14 U3.39_15 U3.39_16 U3.39_17 U3.39_18 U3.39_19 U3.39_20 U3.39_21 U4.5 U4.7 U4.8 U4.9 U4.18 U4.19

## Polygon pours and split planes (outlines as drawn)
GND on Top Layer "GND_L01_P05" (solid, remove dead copper, pour order 29): 0.508,3.032 ccw(c3.048,3.032) 3.048,0.492 80.518,0.492 ccw(c80.518,3.032) 83.058,3.032 83.058,53.467 83.058,53.71 ccw(c80.518,53.71) 80.518,56.25 80.518,56.261 3.302,56.261 3.048,56.25 ccw(c3.048,53.71) 0.508,53.71 0.508,53.721
USB_5V0 on Top Layer "USB_5V0_L01_P08" (solid, remove dead copper, pour order 24): 18.161,53.34 19.939,55.118 48.895,55.118 56.007,48.006 56.007,35.814 54.483,34.29 50.927,34.29 49.403,35.814 49.403,39.37 41.783,46.99 19.939,46.99 18.161,48.768
VBAT on Top Layer "VBAT_L01_p01" (solid, remove dead copper, pour order 28): 70.739,41.402 71.755,42.418 71.755,51.054 70.739,52.07 64.643,52.07 63.627,51.054 63.627,42.418 64.643,41.402
3V3 on Top Layer "3V3_L01_P03" (solid, remove dead copper, pour order 25): 47.371,20.574 40.767,20.574 39.243,22.098 39.243,41.402 40.767,42.926 47.371,42.926 48.895,41.402 48.895,22.098
3V3 on Top Layer "3V3_L01_P04" (solid, remove dead copper, pour order 26): 20.701,42.163 21.083,42.545 24.384,42.545 24.765,42.164 24.765,33.401 24.257,32.893 21.209,32.893 20.701,33.401
3V3 on L3 - POWER "3V3_L03_P07" (solid, remove dead copper, pour order 31): 2.667,7.874 7.239,3.302 35.687,3.302 40.767,8.382 40.767,49.911 36.068,54.61 6.731,54.61 2.667,50.546
5V0 on L3 - POWER "4V6_L03_P6" (solid, remove dead copper, pour order 30): 65.151,4.318 67.183,6.35 67.183,29.21 64.135,32.258 45.339,32.258 42.291,29.21 42.291,6.35 44.323,4.318
GND on Bottom Layer "GND_L04_P09" (solid, remove dead copper, pour order 32): 0.508,3.032 ccw(c3.048,3.032) 3.048,0.492 80.518,0.492 ccw(c80.518,3.032) 83.058,3.032 83.058,53.467 83.058,53.71 ccw(c80.518,53.71) 80.518,56.25 80.518,56.261 3.302,56.261 3.048,56.25 ccw(c3.048,53.71) 0.508,53.71 0.508,53.721
GND on L2 - GND "GND_L02_P02" (solid, remove dead copper, pour order 27): 0.508,2.032 ccw(c3.048,2.032) 1.028,0.492 82.538,0.492 ccw(c80.518,2.032) 83.058,2.032 83.058,53.467 ccw(c80.264,53.467) 80.264,56.261 2.828,56.24 ccw(c2.931,53.817) 0.508,53.71

## Silkscreen, mask and mechanical layers (free items; w line width, h text height)
Top Overlay:
  drawing of 69 lines, arcs and shapes, not listed
  text "LED Controller / REV 1 / Ari Wasch / AUG 2021" at 34.671,50.038 h1.52
  text "VBAT" at 58.228,46.084 h1.52 r180
  text "GND" at 62.915,46.083 h1.52 r180
  text "GND" at 51.562,1.415 h1.52
  text "5V" at 62.236,1.415 h1.52
  text "LED" at 56.763,1.397 h1.52
Mechanical 1:
  lines w1: 0.508,53.71 cw(c3.048,53.71) 3.048,56.25 ; 0.508,53.721 0.508,3.032 ccw(c3.048,3.032) 3.048,0.492 80.518,0.492 ccw(c80.518,3.032) 83.058,3.032 83.058,53.467 ; 3.302,56.261 80.518,56.261 ; 80.518,56.25 cw(c80.518,53.71) 83.058,53.71

## Text inside footprints (layer, text, board x,y; h text height)
J3: Top 3D Body "PCB Edge" at 18.345,55.059 h0.41 r180
U3: Mechanical 13 "ANTENNA" at 7.077,12.596 h1.78 r90